# Altium PCB RK3568_DEV.PcbDoc (part 2 of 2)
Units mm, origin at the board's own origin, x right, y up, seen from the top; angles counter-clockwise.
Board outline 152.4 x 101.6 mm, 3 copper layers (Top Layer, Mid-Layer 2, Bottom Layer); 249 components, 356 nets, 1465 pads, 6 vias.
Unrouted connection lines stored in the file: 928.
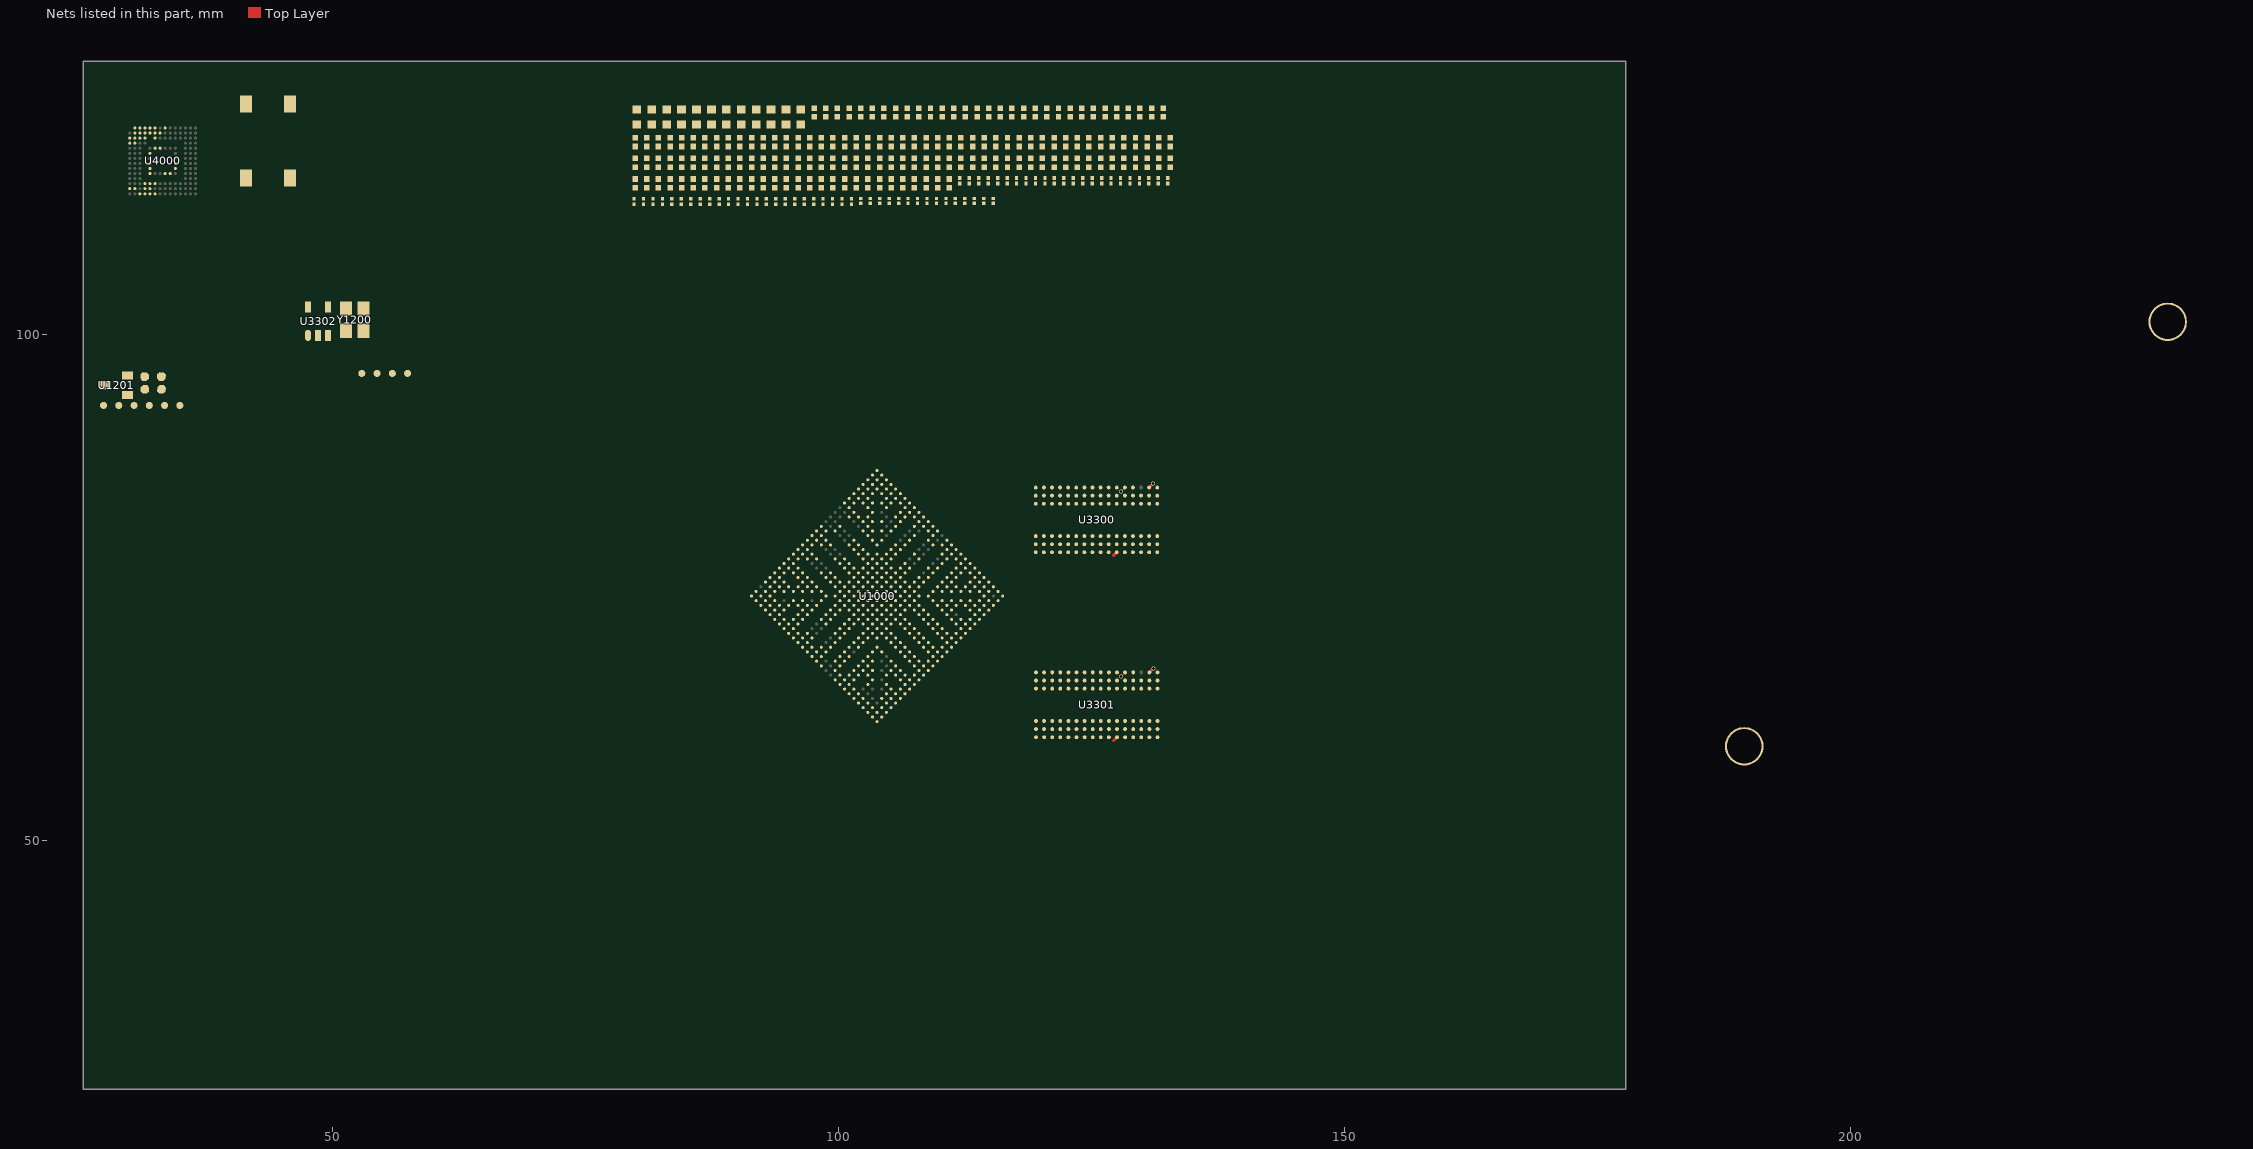
[diagram p2: the nets of this part, all layers, seen from the top]

## Part data
C1000 C1005 C1007 C1012 C1013 C1017: library part "CAP NP", "cap,100.00nF,+/-10%,6.3V,X5R,C0201", C_Voltage=6.3V, Dielectric=X5R, Manufacturer=TDK, Manufacturer PN=C0603X5R0J104K030BC, Tolerance=10%, Created by=JJJ, Number=37, Part Type=C0201, Priority=A, RK PN=C0603X5R0J104K030BC, Voltage=6.3V
C1001 C1004 C1010 C1014 C1019: library part "CAP NP", "cap,22.00uF,+/-20%,6.3V,X5R,C0603", C_Voltage=6.3V, Dielectric=X5R, Manufacturer=TDK, Manufacturer PN=C1608X5R0J226M080AC, Tolerance=20%, Created by=JJJ, Part Type=C0603, Priority=A, RK PN=C1608X5R0J226M080AC, Voltage=6.3V
C1002 C1003 C1006 C1009 C1018 C1021 C1022 C1023 C3323: library part "CAP NP", "cap,4.70uF,+/-10%,6.3V,X5R,C0402", C_Voltage=6.3V, Dielectric=X5R, Manufacturer=TDK, Manufacturer PN=C1005X5R0J475K050BC, Tolerance=10%, Created by=JJJ, Part Type=C0402, Priority=A, RK PN=C1005X5R0J475K050BC, Voltage=6.3V
  C3323: Number=37
C1011 C1020 C3307 C3308 C3309: library part "CAP NP", "cap,10.00uF,+/-10%,6.3V,X5R,C0603", C_Voltage=6.3V, Dielectric=X5R, Manufacturer=TDK, Manufacturer PN=C1608X5R0J106K080AB, Tolerance=10%, Created by=JJJ, Part Type=C0603, Priority=A, RK PN=C1608X5R0J106K080AB, Voltage=6.3V
C1100 C1101 C1200 C1203 C1205 C1207 C1209 C1210 C1212 C1213 C1300 C1301 C1401 C1402 C1403 C1404 C1405 C1406 C1407 C1408 C1411 C1412 C1508 C1510 C1517 C1604 C1700 C1701 C1708 C1709 C1710 C1712 C1717 C1718 C1721 C1722 C1800 C1900: library part "CAP NP", "cap,100.00nF,+/-10%,6.3V,X5R,C0201", Dielectric=X5R, Manufacturer=TDK, Manufacturer PN=C0603X5R0J104K030BC, Tolerance=10%, Voltage=6.3V, Created by=JJJ, Part Type=C0201, Priority=A, RK PN=C0603X5R0J104K030BC
C1102 C1103 C1104 C1105 C1208 C1409 C1410 C1413 C1414 C1723 C1724: library part "CAP NP", "cap,4.70uF,+/-10%,6.3V,X5R,C0402", Dielectric=X5R, Manufacturer=TDK, Manufacturer PN=C1005X5R0J475K050BC, Tolerance=10%, Voltage=6.3V, Created by=JJJ, Part Type=C0402, Priority=A, RK PN=C1005X5R0J475K050BC
C1201 C1202: library part "CAP NP", "cap,18.00pF,+/-5%,50V,C0G,C0402", C_Voltage=6.3V, Dielectric=C0G, Manufacturer=TDK, Manufacturer PN=C1005C0G1H180J050BA, Tolerance=5%, Voltage=50V, Created by=JJJ, Number=37, Part Type=C0402, Priority=A, RK PN=C1005C0G1H180J050BA
C1206 C1211 C1214 C1415 C1511 C1605 C1719 C1720 C1801: library part "CAP NP", "cap,1.00uF,+/-10%,6.3V,X5R,C0402", Dielectric=X5R, Manufacturer=TDK, Manufacturer PN=C1005X5R0J105K050BB, Tolerance=10%, Voltage=6.3V, Created by=JJJ, Part Type=C0402, Priority=A, RK PN=C1005X5R0J105K050BB
C1400 C1716 C4000 C4001 C4002 C4003 C4004 C4006 C4007: library part "CAP NP", "cap,100.00nF,+/-10%,10V,X5R,C0402", Dielectric=X5R, Manufacturer=TDK, Manufacturer PN=C1005X5R1A104K050BA, Tolerance=10%, Voltage=10V, Created by=JJJ, Part Type=C0402, Priority=A, RK PN=C1005X5R1A104K050BA
  C4000: option=DNP
C1500: library part "CAP NP", "cap,1.00nF,+/-10%,50V,X5R,C0402", Dielectric=X5R, Manufacturer=TDK, Manufacturer PN=C1005X5R1H102K050BA, Tolerance=10%, Voltage=50V, Created by=JJJ, Part Type=C0402, Priority=A, RK PN=C1005X5R1H102K050BA
C3300: library part "CAP NP", "cap,100.00pF,+/-10%,25V,X5R,C0201", C_Voltage=6.3V, Dielectric=X5R, Manufacturer=TDK, Manufacturer PN=C0603X5R1E101K030BA, Tolerance=10%, Voltage=25V, Created by=JJJ, Number=37, option=DNP, Part Type=C0201, Priority=A, RK PN=C0603X5R1E101K030BA
C3301 C3302 C3305 C3306: library part "CAP NP", "cap,1.00nF,+/-10%,50V,X5R,C0402", C_Voltage=6.3V, Dielectric=X5R, Manufacturer=TDK, Manufacturer PN=C1005X5R1H102K050BA, Tolerance=10%, Voltage=50V, Created by=JJJ, Number=37, Part Type=C0402, Priority=A, RK PN=C1005X5R1H102K050BA
  C3301 C3302: option=DNP
C3303 C3304: library part "CAP NP", "cap,1.00nF,+/-10%,25V,X5R,C0201", C_Voltage=6.3V, Dielectric=X5R, Manufacturer=TDK, Manufacturer PN=C0603X5R1E102K030BA, Tolerance=10%, Voltage=25V, Created by=JJJ, Number=37, Part Type=C0201, Priority=A, RK PN=C0603X5R1E102K030BA
C3310 C3322 C3331: library part "CAP NP", "cap,1.00uF,+/-10%,6.3V,X5R,C0402", C_Voltage=6.3V, Dielectric=X5R, Manufacturer=TDK, Manufacturer PN=C1005X5R0J105K050BB, Tolerance=10%, Created by=JJJ, Part Type=C0402, Priority=A, RK PN=C1005X5R0J105K050BB, Voltage=6.3V
  C3310 C3331: Number=37
C3311 C3312 C3313 C3314 C3315 C3316 C3317 C3318 C3319 C3320 C3321 C3325 C3326 C3327 C3328 C3329 C3332 C3333 C3334 C3335 C3336 C3337 C3338 C3339 C3340 C3341 C3342 C3343 C3344 C3345: library part "CAP NP", "cap,100.00nF,+/-10%,10V,X5R,C0402", C_Voltage=6.3V, Dielectric=X5R, Manufacturer=TDK, Manufacturer PN=C1005X5R1A104K050BA, Tolerance=10%, Voltage=10V, Created by=JJJ, Number=37, Part Type=C0402, Priority=A, RK PN=C1005X5R1A104K050BA
  C3329: option=DNP
C3330: library part "CAP NP", "Did Not Place.", Manufacturer PN=DNP0402, Created by=JJJ, Part Type=DNP, Priority=A, RK PN=DNP0402
C4005 C4008: library part "CAP NP", "cap,4.70uF,+/-10%,10V,X5R,C0603", C_Voltage=6.3V, Dielectric=X5R, Manufacturer=TDK, Manufacturer PN=C1608X5R1A475K080AC, Tolerance=10%, Voltage=10V, Created by=JJJ, Number=37, Part Type=C0603, Priority=A, RK PN=C1608X5R1A475K080AC
C4009: library part "CAP NP", "cap,2.20uF,+/-10%,10V,X5R,C0402", Dielectric=X5R, Manufacturer=TDK, Manufacturer PN=C1005X5R1A225K050BC, Tolerance=10%, Voltage=10V, Created by=JJJ, Part Type=C0402, Priority=A, RK PN=C1005X5R1A225K050BC
D1201 D1500: library part "DIODE BI_DIR TRIG", "1-Line, Bi-directional, Transient Voltage Suppressors.17.5pF.", Manufacturer=WillSemi(韦尔半导体), Created by=JJJ, Manufacturer PN=ESD5451N, Part Type=ESD_TVS, Priority=A, RK PN=ESD5451N
J9900: library part CON2, "SOCKET"
R1100: library part RESISTOR, "通用厚膜电阻,120R,+/-1%,R0201,1/20W.", Manufacturer=YAGEO, Manufacturer PN=RC0201FR-07120RL, Tolerance=1%, Created by=YTL, Part Type=通用厚膜电阻, Priority=A, RK PN=RC0201FR-07120RL, Wattage=1/20W
R1200 R1204 R1310 R1311 R1508 R1509 R1510 R1511 R1512 R1513 R1515 R1641 R1643 R1645 R1650 R1652 R1654 R1660 R1813: library part RESISTOR, "通用厚膜电阻,22R,+/-5%,R0402,1/16W.", Manufacturer=YAGEO, Manufacturer PN=RC0402JR-0722RL, Tolerance=5%, Created by=YTL, Part Type=通用厚膜电阻, Priority=A, RK PN=RC0402JR-0722RL, Wattage=1/16W
R1201 R1205 R1206 R1400 R1401 R1402 R1403 R1407 R1408 R1410 R1502 R1516 R1667 R1803 R1901 R1902 R1904 R3314 R3315 R3316 R3317 R3318 R3319 R3320 R3322 R4000 R4002: library part RESISTOR, "通用厚膜电阻,0R,+/-5%,R0402,1/16W.", Manufacturer=YAGEO, Manufacturer PN=RC0402JR-070RL, Tolerance=5%, Created by=YTL, Part Type=通用厚膜电阻, Priority=A, RK PN=RC0402JR-070RL, Wattage=1/16W
  R1206 R1408 R3314 R3315 R3320 R4002: option=DNP
R1202: library part RESISTOR, "通用厚膜电阻,1M,+/-5%,R0402,1/16W.", Manufacturer=YAGEO, Manufacturer PN=RC0402JR-071ML, Tolerance=5%, Created by=YTL, Part Type=通用厚膜电阻, Priority=A, RK PN=RC0402JR-071ML, Wattage=1/16W
R1203 R3325 R4003 R4004 R4005: library part RESISTOR, "通用厚膜电阻,10K,+/-5%,R0402,1/16W.", Manufacturer=YAGEO, Manufacturer PN=RC0402JR-0710KL, Tolerance=5%, Created by=YTL, Part Type=通用厚膜电阻, Priority=A, RK PN=RC0402JR-0710KL, Wattage=1/16W
R1207 R1208 R1209 R1210 R1905 R1906: library part RESISTOR, "通用厚膜电阻,2K2,+/-5%,R0402,1/16W.", Manufacturer=YAGEO, Manufacturer PN=RC0402JR-072K2L, Tolerance=5%, Created by=YTL, Part Type=通用厚膜电阻, Priority=A, RK PN=RC0402JR-072K2L, Wattage=1/16W
R1406: library part RESISTOR, "通用厚膜电阻,200R,+/-1%,R0201,1/20W.", Manufacturer=YAGEO, Manufacturer PN=RC0201FR-07200RL, Tolerance=1%, Created by=YTL, Part Type=通用厚膜电阻, Priority=A, RK PN=RC0201FR-07200RL, Wattage=1/20W
R1500: library part RESISTOR, "通用厚膜电阻,10K,+/-1%,R0402,1/16W.", Manufacturer=YAGEO, Manufacturer PN=RC0402FR-0710KL, Tolerance=1%, Created by=YTL, Part Type=通用厚膜电阻, Priority=A, RK PN=RC0402FR-0710KL, Wattage=1/16W
R1501: library part RESISTOR, "通用厚膜电阻,100R,+/-5%,R0402,1/16W.", Manufacturer=YAGEO, Manufacturer PN=RC0402JR-07100RL, Tolerance=5%, Created by=YTL, Part Type=通用厚膜电阻, Priority=A, RK PN=RC0402JR-07100RL, Wattage=1/16W
R1704 R1705 R1706 R1707 R1708 R1709 R1710 R1711: library part RESISTOR, "通用厚膜电阻,2R2,+/-5%,R0402,1/16W.", Manufacturer=YAGEO, Manufacturer PN=RC0402JR-072R2L, Tolerance=5%, Created by=YTL, Part Type=通用厚膜电阻, Priority=A, RK PN=RC0402JR-072R2L, Wattage=1/16W
R1713: library part RESISTOR, "通用厚膜电阻,1K62,+/-1%,R0201,1/20W.", Manufacturer=YAGEO, Manufacturer PN=RC0201FR-071K62L, Tolerance=1%, Created by=YTL, Part Type=通用厚膜电阻, Priority=A, RK PN=RC0201FR-071K62L, Wattage=1/20W
R3300 R3301: library part RESISTOR, "通用厚膜电阻,49R9,+/-1%,R0201,1/20W.", Manufacturer=YAGEO, Manufacturer PN=RC0201FR-0749R9L, Tolerance=1%, Created by=YTL, Part Type=通用厚膜电阻, Priority=A, RK PN=RC0201FR-0749R9L, Wattage=1/20W
R3302 R3303 R3304 R3305: library part RESISTOR, "通用厚膜电阻,22R,+/-5%,R0201,1/20W.", Manufacturer=YAGEO, Manufacturer PN=RC0201JR-0722RL, Tolerance=5%, Created by=YTL, Part Type=通用厚膜电阻, Priority=A, RK PN=RC0201JR-0722RL, Wattage=1/20W
R3306 R3307 R3308 R3309 R3310 R3311: library part RESISTOR, "通用厚膜电阻,0R,+/-5%,R0201,1/20W.", Manufacturer=YAGEO, Manufacturer PN=RC0201JR-070RL, Tolerance=5%, Created by=YTL, Part Type=通用厚膜电阻, Priority=A, RK PN=RC0201JR-070RL, Wattage=1/20W
R3312 R3313: library part RESISTOR, "通用厚膜电阻,240R,+/-1%,R0402,1/16W.", Manufacturer=YAGEO, Manufacturer PN=RC0402FR-07240RL, Tolerance=1%, Created by=YTL, Part Type=通用厚膜电阻, Priority=A, RK PN=RC0402FR-07240RL, Wattage=1/16W
R3321 R3323: library part RESISTOR, "通用厚膜电阻,1K,+/-1%,R0402,1/16W.", Manufacturer=YAGEO, Manufacturer PN=RC0402FR-071KL, Tolerance=1%, Created by=YTL, option=DNP, Part Type=通用厚膜电阻, Priority=A, RK PN=RC0402FR-071KL, Wattage=1/16W
R4006: library part RESISTOR, "通用厚膜电阻,47K,+/-5%,R0402,1/16W.", Manufacturer=YAGEO, Manufacturer PN=RC0402JR-0747KL, Tolerance=5%, Created by=YTL, option=DNP, Part Type=通用厚膜电阻, Priority=A, RK PN=RC0402JR-0747KL, Wattage=1/16W
SW1201 SW1500: library part KEY_2PIN, "2脚贴片，6MMx3.7MM按键", Manufacturer=褀华电子, Created by=YWQ, Manufacturer Part Number=TS-1125HS, Part Type=KEY, Priority=A, RK PN=TS-1125HS
  SW1201: option=RESET_Key
  SW1500: option=RECOVERY_Key
TP1201 TP1301 TP1302 TP1303 TP1304 TP1305 TP1306 TP1601 TP1602 TP1603: library part TP, "Test Point 0.7mm", Created by=JJJ, Part Type=TP, Priority=A, RK PN=TESTPOINT_0R7
U1000: library part SOC_RK3568, "ROCKCHIP SOC", Manufacturer="Rockchip (瑞芯微)", Created by=JJJ, Manufacturer PN=RK3568, Part Type=SOC, Priority=A, RK PN=RK3568, SPLIT_INST=TRUE, SWAP_INFO=(S1+S2+S3+S4+S5+S6+S7+S8+S9+S10+S11+S12+S13+S14+S15+S16+S17+S18+S19+S20+S21+S22+S23)
U1201: library part Voltage_Detector_CE8809, "Ultra-Small Built-In Delay High-Precision Voltage Detector", Manufacturer=Chipower（芯力微）, Manufacturer PN=CE8809C263MA, Created by=JJJ, Part Type=Voltage_Detectors, Priority=A, RK PN=CE8809C263MA
U3300 U3301: library part DDR4_16bit, "DDR4，16bit,96ball FBGA", Manufacturer=DRAM, Created by=JJJ, Manufacturer PN=DDR4_16bit, Part Type=DRAM, Priority=A, RK PN=DDR4_16bit
U3302: library part LDO_PT5108, "High-PSRR 500mA LDO.Output2.5V.", Manufacturer=Powtech（华润矽威）, Manufacturer PN=PT5108E23E-12, Created by=JJJ, Part Type=LDO, Priority=A, RK PN=PT5108E23E-25
U4000: library part INAND_EMMC_153_2L, "EMMC_B153_2L,更好的满足工艺需求，Fanout方式部分走线跨接再球位上，挖除A1\C5球位", Created by=YWQ, Part Type=NAND_FLASH, Priority=A, RK PN=EMMC_B153_2L
Y1200: library part CRYSTAL_4P, "无源晶振，24M，3225,±10ppm，8pF，Hosonic", Manufacturer=Hosonic(鸿星电子), Manufacturer PN=E3SB24.0000F08E11, Created by=JJJ, Part Type=CRYSTAL, Priority=A, RK PN=E3SB24.0000F08E11

## Via types
v1: diameter 0.4, hole 0.3, Top Layer to Bottom Layer, tented both sides, 6 vias

## Nets (pads, with @x,y where several pads share a name; then routed paths per layer and width w, separated by ;. In a path a pad name is that pad's centre, name@x,y a point inside that pad or via, vN(x,y) a via of type N, cw(c..) or ccw(c..) an arc to the next point about the centre after c; other vN are vias at no path point)
ARMJTAG_TCK: TP1305.1 U1000.H26
ARMJTAG_TMS: TP1306.1 U1000.J23
BEEP_EN_H_GPIO0_D6: U1000.AC24
DDR4_A0: U1000.B6 U3300.P3 U3301.P3
DDR4_A1: U1000.F5 U3300.P7 U3301.P7
DDR4_A2: U1000.B1 U3300.R3 U3301.R3
DDR4_A3: U1000.F4 U3300.N7 U3301.N7
DDR4_A4: U1000.D9 U3300.N3 U3301.N3
DDR4_A5: U1000.B7 U3300.P8 U3301.P8
DDR4_A6: U1000.A7 U3300.P2 U3301.P2
DDR4_A7: U1000.A8 U3300.R8 U3301.R8
DDR4_A8: U1000.C1 U3300.R2 U3301.R2
DDR4_A9: U1000.A5 U3300.R7 U3301.R7
DDR4_A10: U1000.D6 U3300.M3 U3301.M3
DDR4_A11: U1000.C2 U3300.T2 U3301.T2
DDR4_A12: U1000.C4 U3300.M7 U3301.M7
DDR4_A13: U1000.B8 U3300.T8 U3301.T8
DDR4_A14_WEn: U1000.C5 U3300.L2 U3301.L2
DDR4_A15_CASn: U1000.E4 U3300.M8 U3301.M8
DDR4_A16_RASn: U1000.D5 U3300.L8 U3301.L8
DDR4_ACTn: U1000.E6 U3300.L3 U3301.L3
DDR4_BA0: U1000.E11 U3300.N2 U3301.N2
DDR4_BA1: U1000.E9 U3300.N8 U3301.N8
DDR4_BG0: U1000.F8 U3300.M2 U3301.M2
DDR4_BG1: R3320.2 U1000.F7
DDR4_BG1/VSS: R3318.1 R3319.1 R3320.1 U3300.M9 U3301.M9
  other v1: 127.955,66.196 127.93,84.462
DDR4_CKE: R3306.2 R3307.1 U1000.B3
DDR4_CKE_A: R3306.1 U3300.K2
DDR4_CKE_B: R3307.2 U3301.K2
DDR4_CLKN: R3301.1 R3304.2 R3305.1 U1000.A4
DDR4_CLKN_A: R3304.1 U3300.K8
DDR4_CLKN_B: R3305.2 U3301.K8
DDR4_CLKP: R3300.1 R3302.2 R3303.1 U1000.B4
DDR4_CLKP_A: R3302.1 U3300.K7
DDR4_CLKP_B: R3303.2 U3301.K7
DDR4_CS0n: R3308.2 R3309.1 U1000.A2
DDR4_CS0n_A: R3308.1 U3300.L7
DDR4_CS0n_B: R3309.2 U3301.L7
DDR4_DML_A: U1000.H5 U3300.E7
DDR4_DML_B: U1000.E17 U3301.E7
DDR4_DMU_A: U1000.J4 U3300.E2
DDR4_DMU_B: U1000.D14 U3301.E2
DDR4_DQL0_A: U1000.F2 U3300.G2
DDR4_DQL0_B: U1000.A16 U3301.G2
DDR4_DQL1_A: U1000.H4 U3300.F7
DDR4_DQL1_B: U1000.D17 U3301.F7
DDR4_DQL2_A: U1000.E1 U3300.H3
DDR4_DQL2_B: U1000.B17 U3301.H3
DDR4_DQL3_A: U1000.H1 U3300.H7
DDR4_DQL3_B: U1000.B14 U3301.H7
DDR4_DQL4_A: U1000.E2 U3300.H2
DDR4_DQL4_B: U1000.A17 U3301.H2
DDR4_DQL5_A: U1000.J2 U3300.H8
DDR4_DQL5_B: U1000.A13 U3301.H8
DDR4_DQL6_A: U1000.D1 U3300.J3
DDR4_DQL6_B: U1000.B18 U3301.J3
DDR4_DQL7_A: U1000.J1 U3300.J7
DDR4_DQL7_B: U1000.B13 U3301.J7
DDR4_DQSL_N_A: U1000.G2 U3300.F3
DDR4_DQSL_N_B: U1000.A15 U3301.F3
DDR4_DQSL_P_A: U1000.G1 U3300.G3
DDR4_DQSL_P_B: U1000.B15 U3301.G3
DDR4_DQSU_N_A: U1000.L1 U3300.A7
DDR4_DQSU_N_B: U1000.B11 U3301.A7
DDR4_DQSU_P_A: U1000.L2 U3300.B7
DDR4_DQSU_P_B: U1000.A11 U3301.B7
DDR4_DQU0_A: U1000.L4 U3300.A3
DDR4_DQU0_B: U1000.A12 U3301.A3
DDR4_DQU1_A: U1000.N2 U3300.B8
DDR4_DQU1_B: U1000.E12 U3301.B8
DDR4_DQU2_A: U1000.K2 U3300.C3
DDR4_DQU2_B: U1000.E14 U3301.C3
DDR4_DQU3_A: U1000.M1 U3300.C7
DDR4_DQU3_B: U1000.D12 U3301.C7
DDR4_DQU4_A: U1000.J6 U3300.C2
DDR4_DQU4_B: U1000.E15 U3301.C2
DDR4_DQU5_A: U1000.L6 U3300.C8
DDR4_DQU5_B: U1000.A9 U3301.C8
DDR4_DQU6_A: U1000.J7 U3300.D3
DDR4_DQU6_B: U1000.D15 U3301.D3
DDR4_DQU7_A: U1000.L7 U3300.D7
DDR4_DQU7_B: U1000.B10 U3301.D7
DDR4_ODT0: R3310.2 R3311.1 U1000.E8
DDR4_ODT0_A: R3310.1 U3300.K3
DDR4_ODT0_B: R3311.2 U3301.K3
DDR4_RESETn: C3301.1 C3302.1 U1000.F11 U3300.P1 U3301.P1
DDR_RZQ: R1100.1 U1000.H7
DDRPHY_VREFOUT: C3303.2 C3304.1 R3322.2 U1000.P8
EDP_HPDIN_M0: U1000.AH7
EDP_TX_AUXN: U1000.M25
EDP_TX_AUXP: U1000.L25
EDP_TX_D0N: C1712.2
EDP_TX_D0P: C1708.2
EDP_TX_D1N: C1710.2
EDP_TX_D1P: C1709.2
EDP_TXD0N: C1712.1 U1000.K27
EDP_TXD0P: C1708.1 U1000.J28
EDP_TXD1N: C1710.1 U1000.L27
EDP_TXD1P: C1709.1 U1000.K28
eMMC_CLKOUT: R1310.2 U4000.M6
eMMC_CLKOUT_SOC: R1310.1 U1000.A23
eMMC_CMD: R4004.2 U1000.B22 U4000.M5
eMMC_D0: R4003.2 TP1301.1 U1000.A24 U4000.A3
eMMC_D1: U1000.C21 U4000.A4
eMMC_D2: U1000.B24 U4000.A5
eMMC_D3: U1000.D21 U4000.B2
eMMC_D4: U1000.A25 U4000.A2 U4000.B3
eMMC_D5: U1000.E21 U4000.B4 U4000.C3 U4000.D1 U4000.D2
eMMC_D6: U1000.E22 U4000.B5
eMMC_D7: U1000.B25 U4000.A8 U4000.B6 U4000.B7
eMMC_DATA_STROBE: R4000.2 R4006.1 U4000.H5
eMMC_DATA_STROBE_SOC: R4000.1 U1000.A26
eMMC_RSTn: C4000.1 R4002.2 R4005.2 U4000.K5
eMMC_RSTn/FSPI_D2: R4002.1 U1000.F20
ETH0_REFCLKO_25M: R1515.2
ETH1_REFCLKO_25M_M1: R1660.2
Ethernet_LED_EN_H_GPIO4_C6: U1000.AE8
FLASH_VOL_SEL: U1000.AG25
FSPI_CLK: R1311.2 TP1303.1
FSPI_CLK_SOC: R1311.1 U1000.A22
FSPI_CS0n: U1000.C23
FSPI_D0: U1000.C24
FSPI_D1: U1000.D23
FSPI_D3: U1000.A27
GMAC0_MCLKINOUT: R1516.2
GMAC0_MDC: U1000.H24
GMAC0_MDIO: U1000.H23
GMAC0_RSTn_GPIO1_B0: U1000.D20
GMAC0_RXCLK: U1000.B28
GMAC0_RXD0: U1000.F27
GMAC0_RXD1: U1000.H25
GMAC0_RXD2: U1000.E27
GMAC0_RXD3: U1000.E28
GMAC0_RXDV_CRS: U1000.F24
GMAC0_TXCLK: R1510.2
GMAC0_TXD0: R1511.2
GMAC0_TXD1: R1512.2
GMAC0_TXD2: R1508.2
GMAC0_TXD3: R1509.2
GMAC0_TXEN: R1513.2
GMAC1_MCLKINOUT_M1: R1667.2
GMAC1_MDC_M1: U1000.U5
GMAC1_MDIO_M1: U1000.U4
GMAC1_RSTn_GPIO1_B1: U1000.E20
GMAC1_RXCLK_M1: U1000.Y3
GMAC1_RXD0_M1: U1000.W1
GMAC1_RXD1_M1: U1000.V7
GMAC1_RXD2_M1: U1000.AA2
GMAC1_RXD3_M1: U1000.Y4
GMAC1_RXDV_CRS_M1: U1000.V2
GMAC1_TXCLK_M1: R1645.2
GMAC1_TXD0_M1: R1650.2
GMAC1_TXD1_M1: R1652.2
GMAC1_TXD2_M1: R1641.2
GMAC1_TXD3_M1: R1643.2
GMAC1_TXEN_M1: R1654.2
GND: C1000.2 C1001.2 C1002.2 C1003.2 C1004.2 C1005.2 C1006.2 C1007.2 C1009.2 C1010.2 C1011.2 C1012.2 C1013.2 C1014.2 C1017.2 C1018.2 C1019.2 C1020.2 C1021.2 C1022.2 C1023.2 C1100.2 C1101.2 C1102.2 C1103.2 C1104.2 C1105.2 C1200.2 C1201.2 C1202.2 C1203.2 C1205.2 C1206.2 C1207.2 C1208.2 C1209.2 C1210.2 C1211.2 C1212.2 C1213.2 C1214.2 C1300.2 C1301.2 C1400.2 C1401.2 C1402.2 C1403.2 C1404.2 C1405.2 C1406.2 C1407.2 C1408.2 C1409.2 C1410.2 C1411.2 C1412.2 C1413.2 C1414.2 C1415.2 C1500.2 C1508.2 C1510.2 C1511.2 C1517.2 C1604.2 C1605.2 C1700.2 C1701.2 C1716.2 C1717.2 C1718.2 C1719.2 C1720.2 C1721.2 C1722.2 C1723.2 C1724.2 C1800.2 C1801.2 C1900.2 C3300.2 C3301.2 C3302.2 C3304.2 C3305.2 C3306.2 C3307.2 C3308.2 C3309.2 C3310.2 C3311.2 C3312.2 C3313.2 C3314.2 C3315.2 C3316.2 C3317.2 C3318.2 C3319.2 C3320.2 C3321.2 C3322.2 C3323.2 C3325.2 C3326.2 C3327.2 C3328.2 C3329.2 C3330.2 C3331.2 C3332.2 C3333.2 C3334.2 C3335.2 C3336.2 C3337.2 C3338.2 C3339.2 C3340.2 C3341.2 C3342.2 C3343.2 C3344.2 C3345.2 C4000.2 C4001.2 C4002.2 C4003.2 C4004.2 C4005.2 C4006.2 C4007.2 C4008.2 C4009.2 D1201.2 D1500.2 J9900.1 J9900.2 R1100.2 R1406.2 R1713.2 R3312.2 R3313.2 R3314.2 R3315.2 R3316.2 R3317.2 R3318.2 R3319.2 R3323.2 R4006.2 SW1201.2 SW1500.2 TP1302.1 TP1304.1 U1000.A1 U1000.A3 U1000.A6 U1000.A10 U1000.A14 U1000.A18 U1000.A28 U1000.AA4 U1000.AA9 U1000.AA12 U1000.AA14 U1000.AA15 U1000.AA17 U1000.AA23 U1000.AA24 U1000.AA26 U1000.AB2 U1000.AB6 U1000.AB11 U1000.AB12 U1000.AB14 U1000.AB15 U1000.AB17 U1000.AB24 U1000.AC9 U1000.AC11 U1000.AC12 U1000.AC15 U1000.AC18 U1000.AC25 U1000.AC26 U1000.AD3 U1000.AD26 U1000.AE6 U1000.AE14 U1000.AE17 U1000.AE20 U1000.AE21 U1000.AE27 U1000.AE28 U1000.AF3 U1000.AF9 U1000.AF11 U1000.AF12 U1000.AF14 U1000.AF15 U1000.AF17 U1000.AF18 U1000.AF20 U1000.AF21 U1000.AF26 U1000.AG5 U1000.AG18 U1000.AH1 U1000.AH8 U1000.AH18 U1000.AH23 U1000.AH28 U1000.B5 U1000.B9 U1000.B12 U1000.B16 U1000.B23 U1000.B26 U1000.C3 U1000.C6 U1000.C8 U1000.C9 U1000.C11 U1000.C12 U1000.C14 U1000.C15 U1000.C17 U1000.C18 U1000.C25 U1000.D2 U1000.D3 U1000.D11 U1000.D28 U1000.E3 U1000.E7 U1000.F1 U1000.F3 U1000.F9 U1000.F12 U1000.F14 U1000.F15 U1000.F17 U1000.G5 U1000.G6 U1000.G8 U1000.G9 U1000.G11 U1000.G12 U1000.G14 U1000.G15 U1000.G17 U1000.G18 U1000.G24 U1000.H2 U1000.H3 U1000.H6 U1000.J3 U1000.J5 U1000.J8 U1000.J17 U1000.J18 U1000.J20 U1000.J22 U1000.J26 U1000.J27 U1000.K1 U1000.K11 U1000.K12 U1000.K13 U1000.K14 U1000.K19 U1000.L3 U1000.L5 U1000.L8 U1000.L11 U1000.L13 U1000.L14 U1000.L19 U1000.L20 U1000.L21 U1000.L24 U1000.L26 U1000.M2 U1000.M3 U1000.M6 U1000.M8 U1000.M11 U1000.M13 U1000.M14 U1000.M16 U1000.M18 U1000.M21 U1000.M26 U1000.N1 U1000.N11 U1000.N12 U1000.N14 U1000.N15 U1000.N17 U1000.N18 U1000.N28 U1000.P3 U1000.P6 U1000.P12 U1000.P14 U1000.P15 U1000.P17 U1000.P21 U1000.P26 U1000.R3 U1000.R6 U1000.R10 U1000.R11 U1000.R14 U1000.R15 U1000.R17 U1000.R18 U1000.R19 U1000.R23 U1000.R26 U1000.T10 U1000.T11 U1000.T14 U1000.T15 U1000.T17 U1000.T18 U1000.T19 U1000.U1 U1000.U6 U1000.U7 U1000.U8 U1000.U10 U1000.U14 U1000.U15 U1000.U16 U1000.U17 U1000.U18 U1000.U23 U1000.U26 U1000.V3 U1000.V8 U1000.V9 U1000.V13 U1000.V14 U1000.V15 U1000.V16 U1000.V20 U1000.V22 U1000.V23 U1000.V26 U1000.W10 U1000.W11 U1000.W12 U1000.W13 U1000.W14 U1000.W15 U1000.W17 U1000.Y8 U1000.Y9 U1000.Y11 U1000.Y12 U1000.Y14 U1000.Y15 U1000.Y18 U1000.Y23 U1000.Y24 U1000.Y26 U1201.1 U3300.A2 U3300.A8 U3300.B2 U3300.C9 U3300.D2 U3300.D8 U3300.E1 U3300.E3 U3300.E8 U3300.F1 U3300.G8 U3300.H1 U3300.H9 U3300.K1 U3300.K9 U3300.N1 U3300.N9 U3300.T1 U3300.T3 U3301.A2 U3301.A8 U3301.B2 U3301.C9 U3301.D2 U3301.D8 U3301.E1 U3301.E3 U3301.E8 U3301.F1 U3301.G8 U3301.H1 U3301.H9 U3301.K1 U3301.K9 U3301.N1 U3301.N9 U3301.T1 U3301.T3 U3302.2 U4000.A6 U4000.C4 U4000.E7 U4000.G5 U4000.H10 U4000.J5 U4000.K8 U4000.N1 U4000.N2 U4000.N5 U4000.P4 U4000.P6 Y1200.2 Y1200.4
GPIO2_A6: R1508.1 U1000.C27
GPIO2_A7: R1509.1 U1000.C28
GPIO2_B0: R1510.1 U1000.D27
GPIO2_B3: R1511.1 U1000.F28
GPIO2_B4: R1512.1 U1000.G27
GPIO2_B5: R1513.1 U1000.G28
GPIO2_C1: R1515.1 U1000.G23
GPIO2_C2: R1516.1 U1000.F25
GPIO3_D6_d: R1641.1 U1000.Y6
GPIO3_D7_d: R1643.1 U1000.Y5
GPIO4_A0_d: R1645.1 U1000.AA3
GPIO4_A4_d: R1650.1 U1000.Y2
GPIO4_A5_d: R1652.1 U1000.Y1
GPIO4_A6_d: R1654.1 U1000.W2
GPIO4_B3_d: R1660.1 U1000.V1
GPIO4_C1_d: R1667.1 U1000.U2
HDD_LED_EN_H_GPIO4_C5: U1000.AD8
HDMI_TX0N: R1707.1 U1000.AH20
HDMI_TX0N_PORT: R1707.2
HDMI_TX0P: R1709.1 U1000.AG20
HDMI_TX0P_PORT: R1709.2
HDMI_TX1N: R1706.1 U1000.AH21
HDMI_TX1N_PORT: R1706.2
HDMI_TX1P: R1705.1 U1000.AG21
HDMI_TX1P_PORT: R1705.2
HDMI_TX2N: R1704.1 U1000.AH22
HDMI_TX2N_PORT: R1704.2
HDMI_TX2P: R1708.1 U1000.AG22
HDMI_TX2P_PORT: R1708.2
HDMI_TX_HPDIN: C1716.1 U1000.AB18
HDMI_TX_REXT: R1713.1 U1000.AA18
HDMI_TXCLKN: R1711.1 U1000.AG19
HDMI_TXCLKN_PORT: R1711.2
HDMI_TXCLKP: R1710.1 U1000.AH19
HDMI_TXCLKP_PORT: R1710.2
HDMITX_CEC_M0: U1000.AH6
HDMITX_SCL: U1000.AG8
HDMITX_SDA: U1000.AG7
I2C0_SCL_PMIC: R1207.2 U1000.AF24
I2C0_SDA_PMIC: R1208.2 U1000.AB21
I2C1_SCL: R1209.2 U1000.AG24
I2C1_SDA: R1210.2 U1000.AB20
I2C3_SCL_M0: R1906.2 U1000.E18
I2C3_SDA_M0: R1905.2 U1000.D18
I2S1_LRCK_TX_M0: R1904.2
I2S1_MCLK_M0: R1901.2
I2S1_SCLK_TX_M0: R1902.2
I2S1_SDI0_M0: U1000.B21
I2S1_SDO0_M0: U1000.B20
I2S3_MCLK_M1: R1502.2
LCD0_BL_PWM14_M0: U1000.AC3
LCD0_PWREN_H_GPIO0_C7: U1000.AH25
LCDC_CLK: R1813.2
LCDC_CLK_SOC: R1813.1 U1000.AH4
LCDC_D0: U1000.AG6
LCDC_D1: U1000.AD7
LCDC_D2: U1000.AC8
LCDC_D3: U1000.AC7
LCDC_D4: U1000.AF5
LCDC_D5: U1000.AF6
LCDC_D6: U1000.AD6
LCDC_D7: U1000.AH5
LCDC_D8: U1000.AB8
LCDC_D9: U1000.AE5
LCDC_D10: U1000.AG4
LCDC_D11: U1000.AF4
LCDC_D12: U1000.AH3
LCDC_D13: U1000.AG3
LCDC_D14: U1000.AH2
LCDC_D15: U1000.AG2
LCDC_D16: U1000.AG1
LCDC_D17: U1000.AF2
LCDC_D18: U1000.AF1
LCDC_D19: U1000.AE1
LCDC_D20: U1000.AE2
LCDC_D21: U1000.AE3
LCDC_D22: U1000.AD4
LCDC_D23: U1000.AD2
LCDC_DEN: U1000.AC4
LCDC_HSYNC: U1000.AD1
LCDC_VSYNC: U1000.AA7
MIPI_DSI_TX0_CLKN/LVDS_TX0_CLKN: U1000.AG15
MIPI_DSI_TX0_CLKP/LVDS_TX0_CLKP: U1000.AH15
MIPI_DSI_TX0_D0N/LVDS_TX0_D0N: U1000.AG17
MIPI_DSI_TX0_D0P/LVDS_TX0_D0P: U1000.AH17
MIPI_DSI_TX0_D1N/LVDS_TX0_D1N: U1000.AG16
MIPI_DSI_TX0_D1P/LVDS_TX0_D1P: U1000.AH16
MIPI_DSI_TX0_D2N/LVDS_TX0_D2N: U1000.AG14
MIPI_DSI_TX0_D2P/LVDS_TX0_D2P: U1000.AH14
MIPI_DSI_TX0_D3N/LVDS_TX0_D3N: U1000.AG13
MIPI_DSI_TX0_D3P/LVDS_TX0_D3P: U1000.AH13
N16892171: C4009.1 U4000.C1 U4000.C2
NetC1201_1: C1201.1 R1200.1 Y1200.1
NetC3300_1: C3300.1 R3300.2 R3301.2
NetC3329_1: C3329.1 R3325.2 U3302.3
NetC3330_1: C3330.1 U3302.4
NetD1201_1: D1201.1 R1204.2 SW1201.1
NetD1500_1: D1500.1 R1501.2 SW1500.1
NetR1502_1: R1502.1 U1000.AF8
NetR1803_1: R1803.1 U1000.AC2
NetR1901_1: R1901.1 U1000.A19
NetR1902_1: R1902.1 U1000.B19
NetR1904_1: R1904.1 U1000.A20
NetR3312_1: R3312.1 U3301.F9
NetR3313_1: R3313.1 U3300.F9
NetR3314_1: R3314.1 U3301.T7
NetR3315_1: R3315.1 U3300.T7
NetR3316_1: R3316.1 U3301.E9
NetR3317_1: R3317.1 U3300.E9
NetTP1201_1: TP1201.1 U1000.AG27
NetTP1601_1: TP1601.1 U1000.AB1
NetTP1602_1: TP1602.1 U1000.AC1
NetTP1603_1: TP1603.1 U1000.AA1
PCIE30_AVDD0V9: R1408.2
PCIE30_AVDD_0V9: C1412.1 C1413.1 R1407.1 R1408.1 U1000.U20 U1000.U21
PCIE30_AVDD_1V8: C1411.1 C1414.1 R1410.1 U1000.U22
PCIE30_REFCLKN_IN: U1000.AA25
PCIE30_REFCLKP_IN: U1000.Y25
PCIE30_RESREF: R1406.1 U1000.U19
PCIE30_RX0N: U1000.AC27
PCIE30_RX0P: U1000.AC28
PCIE30_RX1N: U1000.AD27
PCIE30_RX1P: U1000.AD28
PCIE30_TX0N: U1000.AA27
PCIE30_TX0P: U1000.AA28
PCIE30_TX1N: U1000.AB27
PCIE30_TX1P: U1000.AB28
PCIE30X1_CLKREQn_M0: U1000.Y22
PCIE30X1_PERSTn_M0: U1000.AE23
PCIE30X1_WAKEn_M0: U1000.AG23
PCIE30X2_CLKREQn_M0: U1000.AE24
PCIE30X2_PERSTn_M0: U1000.AD20
PCIE30X2_WAKEn_M0: U1000.AC21
PCIE_PWREN_H_GPIO0_D4: U1000.AB23
PMIC_SLEEP_H: U1000.AG28
Power_LED_EN_H_GPIO0_C4: U1000.AD21
PWM1_M0_LOGIC: U1000.AD22
PWM2_M0_NPU: U1000.AF23
PWM15_IR_M1: U1000.AA11
RESETn: C1200.1 R1201.1 R1203.2 R1204.1 U1000.AH27 U1201.2
RK616_HDMI_INT_GPIO0_B0: U1000.AD23
RK616_RST_GPIO1_B2: U1000.A21
RTCIC_INT_L_GPIO0_D3: U1000.AE26
SARADC_VIN0_KEY/RECOVERY: C1500.1 R1500.2 R1501.1 U1000.B27
SATA1_RXN: U1000.U27
SATA1_RXP: U1000.U28
SATA1_TXN: U1000.V27
SATA1_TXP: U1000.V28
SATA2_RXN: U1000.Y28
SATA2_RXP: U1000.Y27
SATA2_TXN: U1000.W28
SATA2_TXP: U1000.W27
SATAPM_RSTn_GPIO4_D2: U1000.AB9
SPDIF_TX_M1: R1803.2
TP_INT_L_GPIO0_B5: U1000.AC22
TP_RST_L_GPIO0_B6: U1000.AA20
TSADC_SHUT_M0: R1201.2 U1000.AG26
UART2_RX_M0_DEBUG: U1000.AC20
UART2_TX_M0_DEBUG: U1000.AH24
UART4_RX_M0: U1000.F18
UART4_TX_M0: U1000.C20
UART5_RX_M0: U1000.H27
UART5_TX_M0: U1000.H28
UART6_RX_M1: U1000.J24
UART6_TX_M1: U1000.J25
USB2_AVDD_0V9: C1406.1 R1401.1 U1000.R8
USB2_AVDD_1V8: C1405.1 R1403.1 U1000.P9
USB2_HOST2_DM: U1000.R1
USB2_HOST2_DP: U1000.R2
USB2_HOST3_DM: U1000.T1
USB2_HOST3_DP: U1000.T2
USB3_AVDD_0V9: C1403.1 C1408.1 C1409.1 R1400.1 U1000.P22 U1000.R20 U1000.R21
USB3_AVDD_1V8: C1402.1 C1407.1 C1410.1 R1402.1 U1000.P23 U1000.R22
USB3_HOST1_DM: U1000.P25
USB3_HOST1_DP: U1000.P24
USB3_OTG0_DM: U1000.P28
USB3_OTG0_DP: U1000.P27
USB3_OTG0_SSRXN: U1000.R27
USB3_OTG0_SSRXP: U1000.R28
USB3_OTG0_SSTXN: U1000.T27
USB3_OTG0_SSTXP: U1000.T28
USB3_OTG0_VBUSDET: C1400.1 U1000.M24
USB_HOST_PWREN_H_GPIO0_A5: U1000.AF25
VCC3V3_PMUIO: C1203.1 C1210.1 R1203.1 R1205.1 R1206.1 R1207.1 R1208.1 R1209.1 R1210.1 U1000.W19 U1000.Y20 U1201.3
VCC3V3_SYS: C3322.1 R1205.2 R3325.1 U3302.1
VCC25_DDR: C3323.1 C3325.1 C3326.1 C3327.1 C3328.1 U3300.B1 U3300.R9 U3301.B1 U3301.R9 U3302.5
  other v1: 131.155,66.996 131.13,85.262
VCC_1V8: C1510.1 C1511.1 C1604.1 C1605.1 U1000.H20 U1000.J21 U1000.R9 U1000.U9
VCC_3V3: C1301.1 C1401.1 C1404.1 C1517.1 C1800.1 C1801.1 C1900.1 C4006.1 C4007.1 C4008.1 R1206.2 R1905.1 R1906.1 U1000.H17 U1000.L22 U1000.M23 U1000.P10 U1000.V10 U1000.V11 U1000.V12 U4000.E6 U4000.F5 U4000.J10 U4000.K9
VCC_DDR: C1100.1 C1101.1 C1102.1 C1103.1 C1104.1 C1105.1 C3303.1 C3307.1 C3308.1 C3309.1 C3310.1 C3311.1 C3312.1 C3313.1 C3314.1 C3315.1 C3316.1 C3317.1 C3318.1 C3319.1 C3320.1 C3321.1 C3331.1 C3332.1 C3333.1 C3334.1 C3335.1 C3336.1 C3337.1 C3338.1 C3339.1 C3340.1 C3341.1 C3342.1 C3343.1 C3344.1 C3345.1 R3321.1 U1000.H9 U1000.H11 U1000.H12 U1000.H14 U1000.H15 U1000.J9 U1000.J11 U1000.J12 U1000.J14 U1000.K10 U1000.L9 U1000.L10 U1000.M9 U1000.M10 U3300.A1 U3300.A9 U3300.B3 U3300.B9 U3300.C1 U3300.D1 U3300.D9 U3300.F2 U3300.F8 U3300.G1 U3300.G7 U3300.G9 U3300.J1 U3300.J2 U3300.J8 U3300.J9 U3300.L1 U3300.L9 U3300.R1 U3300.T9 U3301.A1 U3301.A9 U3301.B3 U3301.B9 U3301.C1 U3301.D1 U3301.D9 U3301.F2 U3301.F8 U3301.G1 U3301.G7 U3301.G9 U3301.J1 U3301.J2 U3301.J8 U3301.J9 U3301.L1 U3301.L9 U3301.R1 U3301.T9
VCCA_1V8: C1206.1 C1207.1 C1211.1 C1212.1 C1415.1 C1508.1 C1700.1 C1717.1 C1719.1 C1721.1 C1724.1 R1402.2 R1403.2 R1410.2 R1500.1 U1000.H22 U1000.M22 U1000.N10 U1000.W18 U1000.Y17 U1000.Y21
VCCIO_FLASH: C1300.1 C4001.1 C4002.1 C4003.1 C4004.1 C4005.1 R4003.1 R4004.1 R4005.1 U1000.H18 U4000.C6 U4000.M4 U4000.N4 U4000.P3 U4000.P5
VDD_CPU: C1000.1 C1001.1 C1002.1 C1003.1 C1004.1 C1021.1 U1000.J15 U1000.K15 U1000.K16 U1000.K17 U1000.K18 U1000.L15 U1000.L16 U1000.L17 U1000.L18 U1000.M17
VDD_CPU_COM: U1000.M15
VDD_GPU/NPU: C1012.1 C1013.1 C1014.1 C1017.1 C1018.1 C1019.1 C1020.1 C1022.1 U1000.M19 U1000.N19 U1000.P18 U1000.P19 U1000.P20 U1000.R13 U1000.T13 U1000.U11 U1000.U12 U1000.U13
VDD_LOGIC: C1005.1 C1006.1 C1007.1 C1009.1 C1010.1 C1011.1 C1023.1 U1000.L12 U1000.M12 U1000.N13 U1000.N16 U1000.P13 U1000.P16 U1000.R12 U1000.R16 U1000.T12 U1000.T16
VDDA_0V9: C1205.1 C1208.1 C1209.1 C1213.1 C1214.1 C1701.1 C1718.1 C1720.1 C1722.1 C1723.1 R1400.2 R1401.2 R1407.2 U1000.M20 U1000.P11 U1000.V17 U1000.V18 U1000.V19 U1000.V21 U1000.W16
VREF_DDR4_CA: C3305.1 C3306.1 R3321.2 R3322.1 R3323.1 U3300.M1 U3301.M1
XIN24M: C1202.1 R1202.2 U1000.AF28 Y1200.3
XOUT24M: R1200.2 R1202.1 U1000.AF27
pads on no net: U1000.AA5 U1000.AA6 U1000.AA22 U1000.AB5 U1000.AC5 U1000.AC14 U1000.AC17 U1000.AD9 U1000.AD11 U1000.AD12 U1000.AD14 U1000.AD15 U1000.AD17 U1000.AD18 U1000.AD25 U1000.AE9 U1000.AE11 U1000.AE12 U1000.AE15 U1000.AE18 U1000.AG9 U1000.AG10 U1000.AG11 U1000.AG12 U1000.AH9 U1000.AH10 U1000.AH11 U1000.AH12 U1000.AH26 U1000.B2 U1000.C26 U1000.D8 U1000.D24 U1000.D26 U1000.E23 U1000.E25 U1000.E26 U1000.F21 U1000.F22 U1000.F26 U1000.G20 U1000.G21 U1000.L23 U1000.L28 U1000.M4 U1000.M5 U1000.M7 U1000.M27 U1000.M28 U1000.N27 U1000.P1 U1000.P2 U1000.P4 U1000.P5 U1000.P7 U1000.R4 U1000.R5 U1000.R7 U1000.R24 U1000.R25 U1000.U3 U1000.U24 U1000.U25 U1000.V4 U1000.V5 U1000.V6 U1000.V24 U1000.V25 U1000.Y7 U3300.P9 U3301.P9 U4000.A7 U4000.A9 U4000.A10 U4000.A11 U4000.A12 U4000.A13 U4000.A14 U4000.B1 U4000.B8 U4000.B9 U4000.B10 U4000.B11 U4000.B12 U4000.B13 U4000.B14 U4000.C7 U4000.C8 U4000.C9 U4000.C10 U4000.C11 U4000.C12 U4000.C13 U4000.C14 U4000.D3 U4000.D4 U4000.D12 U4000.D13 U4000.D14 U4000.E1 U4000.E2 U4000.E3 U4000.E5 U4000.E8 U4000.E9 U4000.E10 U4000.E12 U4000.E13 U4000.E14 U4000.F1 U4000.F2 U4000.F3 U4000.F10 U4000.F12 U4000.F13 U4000.F14 U4000.G1 U4000.G2 U4000.G3 U4000.G10 U4000.G12 U4000.G13 U4000.G14 U4000.H1 U4000.H2 U4000.H3 U4000.H12 U4000.H13 U4000.H14 U4000.J1 U4000.J2 U4000.J3 U4000.J12 U4000.J13 U4000.J14 U4000.K1 U4000.K2 U4000.K3 U4000.K6 U4000.K7 U4000.K10 U4000.K12 U4000.K13 U4000.K14 U4000.L1 U4000.L2 U4000.L3 U4000.L12 U4000.L13 U4000.L14 U4000.M1 U4000.M2 U4000.M3 U4000.M7 U4000.M8 U4000.M9 U4000.M10 U4000.M11 U4000.M12 U4000.M13 U4000.M14 U4000.N3 U4000.N6 U4000.N7 U4000.N8 U4000.N9 U4000.N10 U4000.N11 U4000.N12 U4000.N13 U4000.N14 U4000.P1 U4000.P2 U4000.P7 U4000.P8 U4000.P9 U4000.P10 U4000.P11 U4000.P12 U4000.P13 U4000.P14
copper on no net:
  other v1: 131.955,66.996 131.93,85.262

## Text inside footprints (layer, text, board x,y; h text height)
D1201: Mechanical 12 "2" at 33.261,94.565 h0.25 r270; Mechanical 12 "1" at 33.242,95.822 h0.25 r270; Mechanical 16 "ESD5341N" at 33.16,95.187 h0.25 r270
D1500: Mechanical 12 "2" at 31.608,94.565 h0.25 r270; Mechanical 12 "1" at 31.589,95.822 h0.25 r270; Mechanical 16 "ESD5341N" at 31.507,95.187 h0.25 r270
J9900: Mechanical 12 "2" at 231.257,101.234 h0.25; Mechanical 12 "1" at 189.418,59.294 h0.25; Mechanical 14 "Radiator_38x38" at 207.899,80.264 h0.25
U4000: Top Overlay "D" at 27.106,118.964 h0.25; Top Overlay "C" at 26.217,119.599 h0.25; Top Overlay "B" at 27.106,120.107 h0.25; Top Overlay "A" at 26.217,120.615 h0.25; Top Overlay "K" at 27.106,115.916 h0.25; Top Overlay "J" at 26.217,116.297 h0.25; Top Overlay "H" at 27.106,116.932 h0.25; Top Overlay "G" at 26.217,117.313 h0.25; Top Overlay "F" at 27.106,117.948 h0.25; Top Overlay "E" at 26.217,118.456 h0.25; Top Overlay "P" at 27.106,114.011 h0.25; Top Overlay "N" at 26.217,114.265 h0.25; Top Overlay "M" at 27.106,114.9 h0.25; Top Overlay "L" at 26.09,115.281 h0.25; Top Overlay "2" at 30.169,123.954 h0.25; Top Overlay "4" at 31.185,123.954 h0.25; Top Overlay "3" at 30.677,124.843 h0.25; Top Overlay "1" at 29.661,124.843 h0.25; Top Overlay "10" at 33.979,123.954 h0.25; Top Overlay "6" at 32.074,123.954 h0.25; Top Overlay "8" at 33.09,123.954 h0.25; Top Overlay "9" at 33.471,124.843 h0.25; Top Overlay "7" at 32.582,124.843 h0.25; Top Overlay "5" at 31.693,124.843 h0.25; Top Overlay "14" at 36.265,123.954 h0.25; Top Overlay "13" at 35.63,124.843 h0.25; Top Overlay "12" at 35.249,123.954 h0.25; Top Overlay "11" at 34.36,124.843 h0.25; Mechanical 12 "E9" at 34.015,118.587 h0.25; Mechanical 12 "E10" at 34.515,118.689 h0.25; Mechanical 12 "F10" at 34.515,118.189 h0.25; Mechanical 12 "K10" at 34.515,116.189 h0.25; Mechanical 12 "A10" at 34.515,120.689 h0.25; Mechanical 12 "H2" at 30.515,117.088 h0.25; Mechanical 12 "H3" at 31.016,117.088 h0.25; Mechanical 12 "A11" at 35.016,120.689 h0.25; Mechanical 12 "H12" at 35.515,117.189 h0.25; Mechanical 12 "H13" at 36.016,117.189 h0.25; Mechanical 12 "H14" at 36.515,117.189 h0.25; Mechanical 12 "J1" at 30.016,116.588 h0.25; Mechanical 12 "J2" at 30.515,116.588 h0.25; Mechanical 12 "J3" at 31.016,116.588 h0.25; Mechanical 12 "A12" at 35.515,120.689 h0.25; Mechanical 12 "J12" at 35.515,116.689 h0.25; Mechanical 12 "J13" at 36.016,116.689 h0.25; Mechanical 12 "J14" at 36.515,116.689 h0.25; Mechanical 12 "K1" at 30.016,116.088 h0.25; Mechanical 12 "K2" at 30.515,116.088 h0.25; Mechanical 12 "K3" at 31.016,116.088 h0.25; Mechanical 12 "A13" at 36.016,120.689 h0.25; Mechanical 12 "K12" at 35.515,116.189 h0.25; Mechanical 12 "K13" at 36.016,116.189 h0.25; Mechanical 12 "A14" at 36.515,120.689 h0.25; Mechanical 12 "K14" at 36.515,116.189 h0.25; Mechanical 12 "L1" at 30.016,115.588 h0.25; Mechanical 12 "L2" at 30.515,115.588 h0.25; Mechanical 12 "L3" at 31.016,115.588 h0.25; Mechanical 12 "B1" at 30.016,120.088 h0.25; Mechanical 12 "L12" at 35.515,115.689 h0.25; Mechanical 12 "L13" at 36.016,115.689 h0.25; Mechanical 12 "L14" at 36.515,115.689 h0.25; Mechanical 12 "M1" at 30.016,115.088 h0.25; Mechanical 12 "M2" at 30.515,115.088 h0.25; Mechanical 12 "M3" at 31.016,115.088 h0.25; Mechanical 12 "M7" at 33.015,115.088 h0.25; Mechanical 12 "M8" at 33.515,115.088 h0.25; Mechanical 12 "M9" at 34.015,115.088 h0.25; Mechanical 12 "M10" at 34.515,115.189 h0.25; Mechanical 12 "M11" at 35.016,115.189 h0.25; Mechanical 12 "M12" at 35.515,115.189 h0.25; Mechanical 12 "M13" at 36.016,115.189 h0.25; Mechanical 12 "M14" at 36.515,115.189 h0.25; Mechanical 12 "N1" at 30.016,114.588 h0.25; Mechanical 12 "N3" at 31.016,114.588 h0.25; Mechanical 12 "N6" at 32.515,114.588 h0.25; Mechanical 12 "N7" at 33.015,114.588 h0.25; Mechanical 12 "N8" at 33.515,114.588 h0.25; Mechanical 12 "N9" at 34.015,114.588 h0.25; Mechanical 12 "N10" at 34.515,114.689 h0.25; Mechanical 12 "N11" at 35.016,114.689 h0.25; Mechanical 12 "N12" at 35.515,114.689 h0.25; Mechanical 12 "N13" at 36.016,114.689 h0.25; Mechanical 12 "N14" at 36.515,114.689 h0.25; Mechanical 12 "P1" at 30.016,114.088 h0.25; Mechanical 12 "P2" at 30.515,114.088 h0.25; Mechanical 12 "P8" at 33.515,114.088 h0.25; Mechanical 12 "P9" at 34.015,114.088 h0.25; Mechanical 12 "P11" at 35.016,114.189 h0.25; Mechanical 12 "P12" at 35.515,114.189 h0.25; Mechanical 12 "P13" at 36.016,114.189 h0.25; Mechanical 12 "P14" at 36.515,114.189 h0.25; Mechanical 12 "A2" at 30.515,120.588 h0.25; Mechanical 12 "B7" at 33.015,120.088 h0.25; Mechanical 12 "B8" at 33.515,120.088 h0.25; Mechanical 12 "B9" at 34.015,120.088 h0.25; Mechanical 12 "B10" at 34.515,120.189 h0.25; Mechanical 12 "B11" at 35.016,120.189 h0.25; Mechanical 12 "B12" at 35.515,120.189 h0.25; Mechanical 12 "B13" at 36.016,120.189 h0.25; Mechanical 12 "B14" at 36.515,120.189 h0.25; Mechanical 12 "C1" at 30.016,119.588 h0.25; Mechanical 12 "C3" at 31.016,119.588 h0.25; Mechanical 12 "C7" at 33.015,119.588 h0.25; Mechanical 12 "C8" at 33.515,119.588 h0.25; Mechanical 12 "C9" at 34.015,119.588 h0.25; Mechanical 12 "C10" at 34.515,119.689 h0.25; Mechanical 12 "C11" at 35.016,119.689 h0.25; Mechanical 12 "C12" at 35.515,119.689 h0.25; Mechanical 12 "C13" at 36.016,119.689 h0.25; Mechanical 12 "C14" at 36.515,119.689 h0.25; Mechanical 12 "D1" at 30.016,119.088 h0.25; Mechanical 12 "D2" at 30.515,119.088 h0.25; Mechanical 12 "D3" at 31.016,119.088 h0.25; Mechanical 12 "D4" at 31.515,119.088 h0.25; Mechanical 12 "D12" at 35.515,119.189 h0.25; Mechanical 12 "D13" at 36.016,119.189 h0.25; Mechanical 12 "D14" at 36.515,119.189 h0.25; Mechanical 12 "E1" at 30.016,118.587 h0.25; Mechanical 12 "E2" at 30.515,118.587 h0.25; Mechanical 12 "E3" at 31.016,118.587 h0.25; Mechanical 12 "E12" at 35.515,118.689 h0.25; Mechanical 12 "E13" at 36.016,118.689 h0.25; Mechanical 12 "E14" at 36.515,118.689 h0.25; Mechanical 12 "F1" at 30.016,118.088 h0.25; Mechanical 12 "F2" at 30.515,118.088 h0.25; Mechanical 12 "F3" at 31.016,118.088 h0.25; Mechanical 12 "A8" at 33.515,120.588 h0.25; Mechanical 12 "F12" at 35.515,118.189 h0.25; Mechanical 12 "F13" at 36.016,118.189 h0.25; Mechanical 12 "F14" at 36.515,118.189 h0.25; Mechanical 12 "G1" at 30.016,117.588 h0.25; Mechanical 12 "G2" at 30.515,117.588 h0.25; Mechanical 12 "A9" at 34.015,120.588 h0.25; Mechanical 12 "G12" at 35.515,117.689 h0.25; Mechanical 12 "G13" at 36.016,117.689 h0.25; Mechanical 12 "G14" at 36.515,117.689 h0.25; Mechanical 12 "H1" at 30.016,117.088 h0.25; Mechanical 12 "A7" at 33.015,120.588 h0.25; Mechanical 12 "E5" at 32.015,118.587 h0.25; Mechanical 12 "E8" at 33.515,118.587 h0.25; Mechanical 12 "G3" at 31.016,117.588 h0.25; Mechanical 12 "G10" at 34.515,117.689 h0.25; Mechanical 12 "K6" at 32.515,116.088 h0.25; Mechanical 12 "K7" at 33.015,116.088 h0.25; Mechanical 12 "P7" at 33.015,114.088 h0.25; Mechanical 12 "P10" at 34.515,114.189 h0.25; Mechanical 12 "G5" at 32.015,117.588 h0.25; Mechanical 12 "A6" at 32.515,120.588 h0.25; Mechanical 12 "P4" at 31.515,114.088 h0.25; Mechanical 12 "C4" at 31.515,119.588 h0.25; Mechanical 12 "K8" at 33.515,116.088 h0.25; Mechanical 12 "N2" at 30.515,114.588 h0.25; Mechanical 12 "J5" at 32.015,116.588 h0.25; Mechanical 12 "H10" at 34.515,117.189 h0.25; Mechanical 12 "P6" at 32.515,114.088 h0.25; Mechanical 12 "N5" at 32.015,114.588 h0.25; Mechanical 12 "E7" at 33.015,118.587 h0.25; Mechanical 12 "E6" at 32.515,118.587 h0.25; Mechanical 12 "K9" at 34.015,116.088 h0.25; Mechanical 12 "J10" at 34.515,116.689 h0.25; Mechanical 12 "F5" at 32.015,118.088 h0.25; Mechanical 12 "K5" at 32.015,116.088 h0.25; Mechanical 12 "C2" at 30.515,119.588 h0.25; Mechanical 12 "C6" at 32.515,119.588 h0.25; Mechanical 12 "P5" at 32.015,114.088 h0.25; Mechanical 12 "P3" at 31.016,114.088 h0.25; Mechanical 12 "N4" at 31.515,114.588 h0.25; Mechanical 12 "M4" at 31.515,115.088 h0.25; Mechanical 12 "A3" at 31.016,120.588 h0.25; Mechanical 12 "A4" at 31.515,120.588 h0.25; Mechanical 12 "A5" at 32.015,120.588 h0.25; Mechanical 12 "B2" at 30.515,120.088 h0.25; Mechanical 12 "B3" at 31.016,120.088 h0.25; Mechanical 12 "B4" at 31.515,120.088 h0.25; Mechanical 12 "B5" at 32.015,120.088 h0.25; Mechanical 12 "B6" at 32.515,120.088 h0.25; Mechanical 12 "M5" at 32.015,115.088 h0.25; Mechanical 12 "M6" at 32.515,115.088 h0.25; Mechanical 12 "H5" at 32.015,117.088 h0.25